# KiCad board TGX4.kicad_pcb (continued)
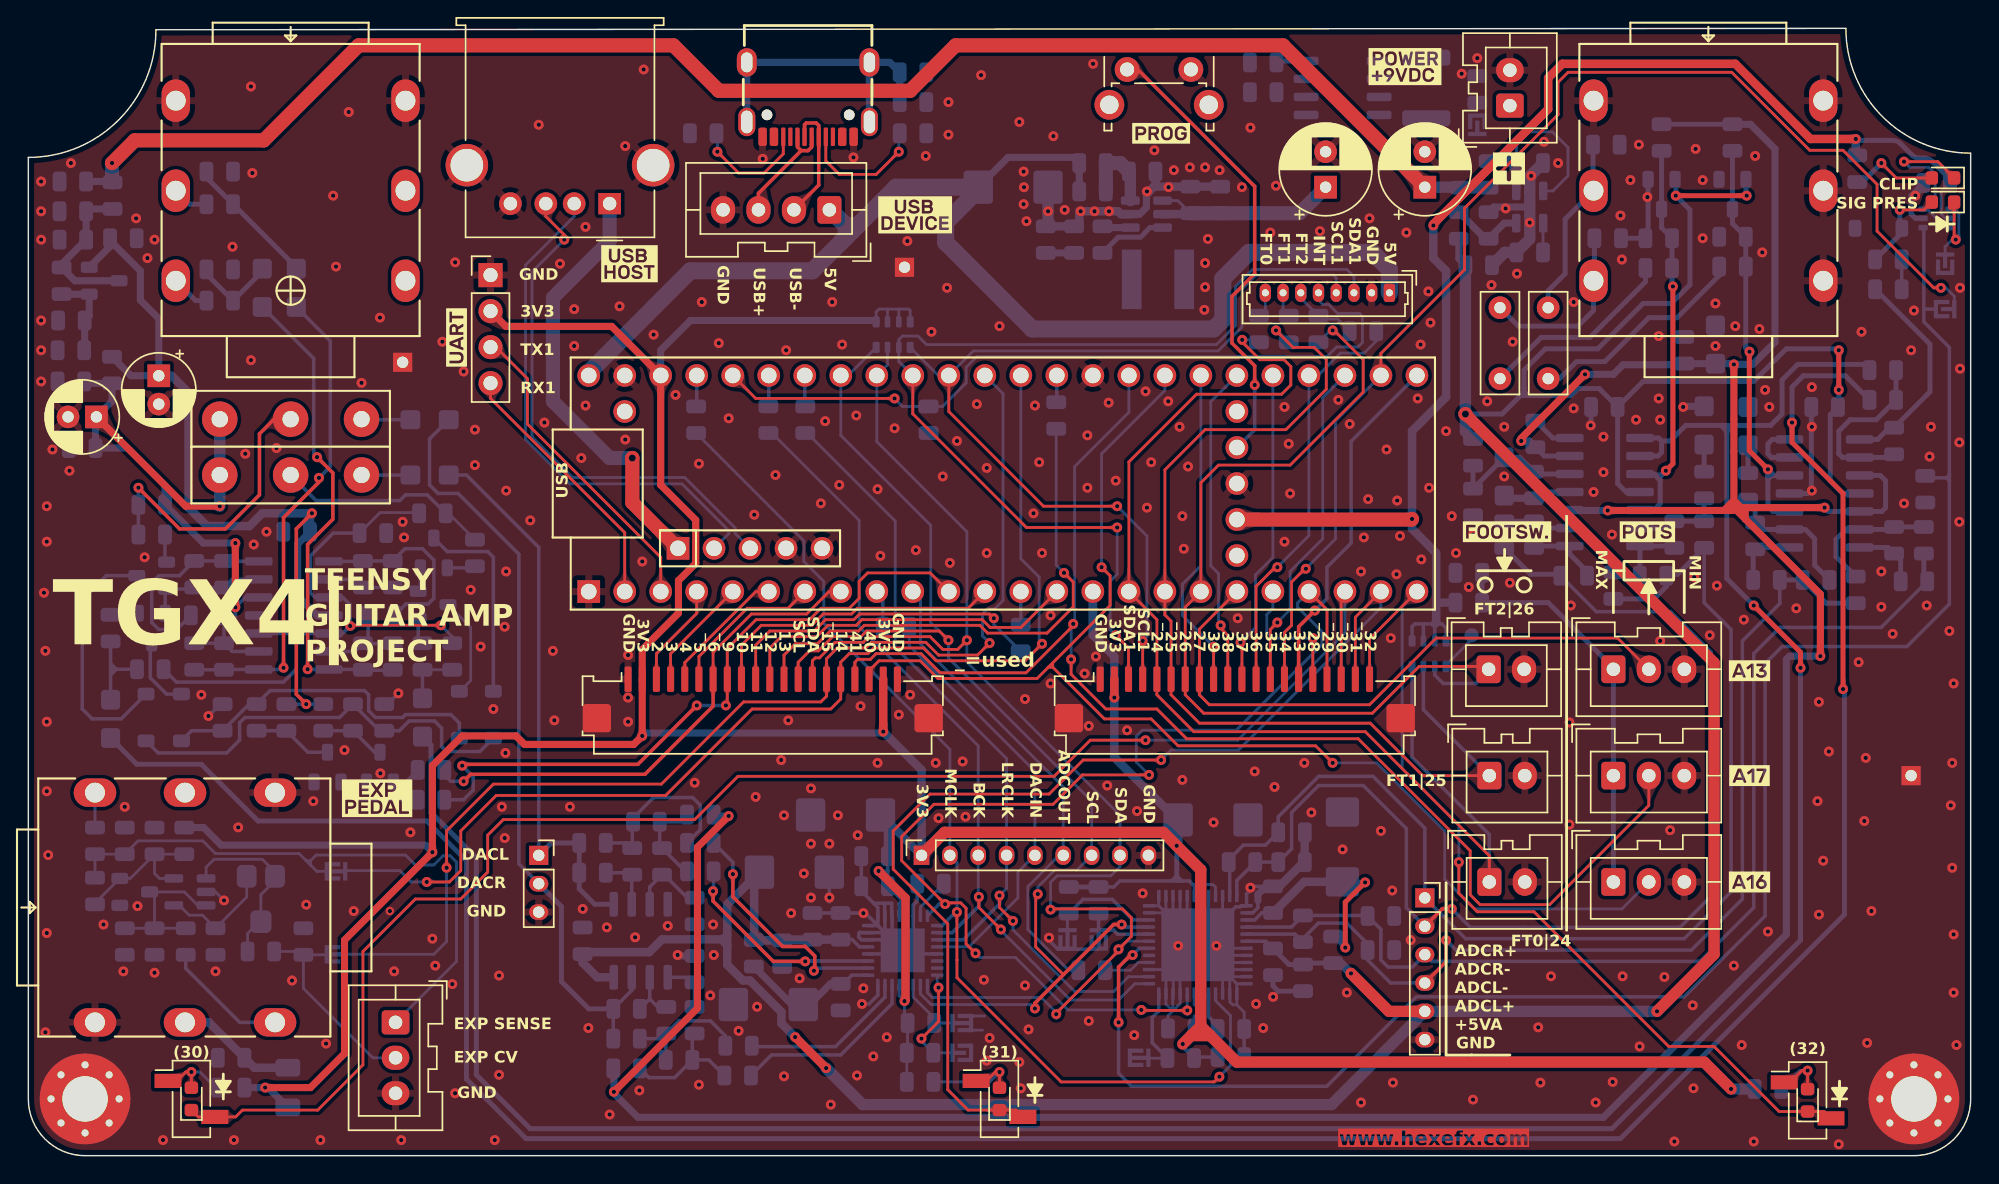
[diagram p0: board, top side]
## Routing (per net, layer and track width the routed paths; a pad name or vN(x,y) marks a point on that pad's centre or on a via; arc(x,y) is an arc through that point) (continued)
/A0_TX3_GPIO14: length 79.8
  Top w0.2: v1(28.1,19.3) 29.7,19.3 30.5,20.1 30.5,22.9 33,25.4 44.95,25.4 51.05,31.5 56.6,31.5 57.3,32.2 J10.16 57.3,34.8 57.9,35.4 59.23,35.4 59.63,35.8 63.13,35.8 64.03,34.9 70.3,34.9 v1(71.5,36.1)
  Bottom w0.2: v1(71.5,36.1) 71.3,36.3 71.3,40.8 70,42.09 U2.36 ; v1(28.1,19.3) 27,19.3 26.2,20.1 22.4,20.1
/A1_RX3_GPIO15: length 81.9
  Top w0.2: v1(29.5,20.3) 29.5,22.9 32.8,26.2 44.65,26.2 50.45,32 55.9,32 56.3,32.4 J10.15 56.3,35.04 57.06,35.8 59.06,35.8 59.46,36.2 63.3,36.2 64.2,35.3 66.95,35.3 v1(67.8,36.15)
  Bottom w0.2: v1(67.8,36.15) 67.3,36.65 67.3,38.2 67.65,38.55 68.15,38.55 68.75,39.15 68.75,53.73 U2.37 ; JP6.2 28.6,14.2 29.5,15.1 v1(29.5,20.3)
/A13_GPIO27: length 43.2
  Top w0.2: J16.2 112.1,36.5 99.3,36.5 94.6,31.8 83.3,31.8 82.6,32.5 J12.8 82.6,37.13 U2.19
/A16_GPIO40: length 91.4
  Top w0.2: 71.9,34.4 71.15,33.65 64.15,33.65 62.9,34.9 60,34.9 59.3,34.2 J10.18 ; 71.9,34.4 76.3,38.8 76.3,40.9 v1(75.7,41.5) ; 71.9,34.4 71.95,34.45 72.25,34.45 ; 72.25,34.45 75.9,30.8 79.2,30.8 81.1,28.9 90.8,28.9 v1(92,27.7) ; 72.25,34.45 72.25,34.75
  Bottom w0.2: U2.32 80.16,53.96 75.7,49.5 v1(75.7,41.5) ; J18.2 112.4,17.4 102,17.4 99.9,19.5 99.9,22.9 95.1,27.7 v1(92,27.7)
/A17_GPIO41: length 96
  Top w0.2: J10.17 58.3,34.8 58.5,35 59.39,35 59.79,35.4 62.97,35.4 64.32,34.05 70.37,34.05 73.7,37.38 v1(73.7,37.5) ; v1(73.55,35) 73.55,33.95 76,31.5 79.6,31.5 81.7,29.4 93.8,29.4 101.7,21.5 101.7,18.4 102.4,17.7 107.3,17.7 114.3,24.7 J17.2
  Bottom w0.2: U2.33 77.62,52.42 73.8,48.6 73.8,37.6 v1(73.7,37.5) 73.55,37.35 v1(73.55,35)
/ADC/ADC_CLIP: length 124.3
  Top w0.25: v1(77.9,14.15) 77.75,14.15 76.9,13.3 v1(76.9,9.4)
  Bottom w0.25: 135.3,47.8 135.5,47.6 ; 135.3,47.8 135.5,47.8 ; 135.3,47.8 133.94,47.8 R98.1 ; 135.3,47.8 135.5,48 135.5,48.1 ; 135.5,47.6 135.5,47.8 ; 135.5,47.6 135.5,38.9 132.5,35.9 123.7,35.9 122.5,34.7 122.5,16.9 116.8,11.2 97.9,11.2 91.59,4.89 77.81,4.89 76.9,5.8 v1(76.9,9.4) ; 133.7,59.7 133.7,65.4 U8.1 ; 133.7,59.7 133.7,58.8 135.5,57 135.5,48.1 ; 133.7,59.7 JP10.1 ; 135.5,47.8 135.5,48.1 ; U3.30 78.36,14.62 v1(77.9,14.15)
/ADC/I2C_ADDR0: length 4.8
  Bottom w0.25: R13.1 75.49,15.91 JP3.2 76.56,15.9 76.83,15.62 U3.32
/ADC/I2C_ADDR1: length 7.9
  Bottom w0.2: 73.29,15.86 73.29,16.97 R12.1
  Bottom w0.25: U3.34 77.91,16.62 76.46,18.07 74.39,18.07 R12.1
/ADC_EXP: length 14.7
  Bottom w0.2: J2.2 24.3,6.9 19.4,11.8 C95.1 ; C95.1 21.01,14.16 JP6.1 ; C95.1 19.16,14.4 R94.2
/ADCL_N: length 83.2
  Top w0.25: J14.2 99.72,17.4 v1(100.4,17.4)
  Bottom w0.25: U3.48 85.24,19.4 C2.2 C48.1 89.1,21.64 89.1,24.2 91,26.1 94.16,26.1 97.2,23.06 97.2,17.48 J14.2 ; v1(100.4,17.4) 101.7,16.1 116.5,16.1 118.7,18.3 118.7,35.5 115.84,38.36 110.6,38.36 R53.1
  Bottom w0.35: 108.26,41 105.96,41 R51.1
/ADCL_P: length 83.5
  Bottom w0.25: U3.47 84.74,20.63 C2.1 84.66,20.86 85.7,21.9 87.26,21.9 C46.1 88.16,23.9 91.01,26.75 94.85,26.75 98.5,23.1 J14.1 101.38,15.3 116.8,15.3 120.1,18.6 120.1,37.1 118.2,39 R45.1
  Bottom w0.35: R45.1 116.34,41 115.54,41 115.54,40.14 114.66,39.26 R47.1
/ADCR_N: length 75.4
  Bottom w0.25: U3.4 89.08,16.12 C3.1 94.42,16.94 C47.1 95.4,15.96 95.4,13.8 95.9,13.3 97.62,13.3 J14.3 ; J14.3 98.98,13.7 117.9,13.7 121.7,17.5 121.7,35.4 123.55,37.25 130.69,37.25 R54.1 ; J14.3 98.58,14.1
  Bottom w0.35: R52.1 133.7,40.74 R54.1
/ADCR_P: length 71.9
  Top w0.25: J14.4 100,13.68 v1(100,15.2)
  Bottom w0.25: J14.4 96.09,12.18 94.46,13.8 C45.1 94.46,14.94 93,16.4 91,16.4 89.9,15.3 C3.2 89.34,15.62 U3.5 ; v1(100,15.2) 100.7,14.5 117.3,14.5 120.9,18.1 120.9,36.3 123.54,38.94 R50.1
  Bottom w0.35: R48.1 126.8,38.96 R46.1 R50.1
/Audio_Input/DRY_L: length 188.1
  Top w0.35: v1(121.7,38.8) 125,35.5 v1(125,34.4)
  Bottom w0.35: 119.8,51.5 120.2,51.5 ; 119.8,51.5 119.8,51 ; 119.8,51.5 119.4,51.5 ; 120.2,51.5 122.9,51.5 123.7,52.3 123.7,54.7 124.8,55.8 129.46,55.8 R29.2 ; 120.2,51.5 119.8,51.1 ; 113.68,49.34 114.94,49.34 115.2,49.6 115.2,50.4 ; v1(121.7,38.8) 119.8,40.7 119.8,51 ; 119.8,51 119.8,51.1 ; 115.2,50.4 115.8,50.4 116.9,51.5 119.4,51.5 ; 115.2,50.4 114.99,50.61 113.68,50.61 ; C50.2 28.4,28.95 28.4,24.2 31.6,21 31.6,5.7 35.4,1.9 111.7,1.9 125,15.2 v1(125,34.4) ; 119.8,51.1 119.4,51.5
/Audio_Input/DRY_R: length 200
  Top w0.35: v1(124.4,51.7) 124.4,50.3 128,46.7 v1(128,32.9)
  Bottom w0.35: U7.13 122.96,49.24 122.7,49.5 122.7,50.2 123.01,50.51 U7.14 124.4,50.68 124.4,54.2 125.2,55 128.16,55 R30.2 ; v1(128,32.9) 128.1,32.8 128.1,17 112.3,1.2 35.1,1.2 30.9,5.4 30.9,20.8 28.1,23.6 16.2,23.6 12.2,27.6 7.65,27.6 C52.2
/Audio_Input/FXIN_L: length 12.7
  Bottom w0.35: C35.2 105.1,58.5 109.3,58.5 110.4,59.6 CON1.T 110.46,61.76 R37.2
/Audio_Input/FXIN_R: length 12.8
  Bottom w0.35: R38.2 110.36,68.09 CON1.R 108.4,66.05 108.4,62.2 107.2,61 C36.2
/Audio_Output/LOUT: length 2.7
  Bottom w0.35: R75.1 11.8,60.3 CON2.T
/Audio_Output/ROUT: length 2.6
  Bottom w0.35: R76.1 11.35,67.1 CON2.R
/BCLK2_GPIO4: length 9.2
  Top w0.2: U2.6 51.31,39.78 46.3,34.77 J10.5
/CS1_IN1_GPIO38: length 22.7
  Top w0.2: v1(84.1,37.4) 84.1,37.2 84.6,36.7 J12.10
  Bottom w0.2: U2.30 83.4,53.17 83.4,41.6 83.95,41.05 83.95,37.55 v1(84.1,37.4)
/CS_GPIO36: length 29.5
  Top w0.2: J12.12 86.6,40.15 87.95,41.5 v1(88.1,41.5)
  Bottom w0.2: v1(88.1,41.5) 90.32,43.72 U2.28 90.97,55.02 92.55,56.6 94.22,56.6 95.08,57.45 R99.2
/CS_GPIO37: length 22.4
  Top w0.2: v1(85.5,36.2) 85.6,36.1 J12.11
  Bottom w0.2: U2.29 87.78,42.18 86.55,40.95 86.55,37.25 v1(85.5,36.2)
/CTRL_DRY_GPIO9: length 47.9
  Top w0.2: U2.11 63.61,41.1 59.2,41.1 58.6,40.5 58.6,39.3 57.9,38.6 55.9,38.6 55.1,37.8 51.33,37.8 49.3,35.77 J10.8 49.3,31.85 v1(49.2,31.75)
  Top w0.25: v1(47.15,31.75) 43,27.6 30.7,27.6 v1(30.6,27.5)
  Bottom w0.25: v1(47.15,31.75) v1(49.2,31.75) ; v1(30.6,27.5) 31.38,26.72 31.38,25.77 30.7,25.1 R55.2
/CTRL_WET_GPIO6: length 36.3
  Top w0.2: J10.7 48.3,35.5 51,38.2 54.9,38.2 56.48,39.78 U2.8
  Top w0.25: v1(30.7,26.4) 31.2,26.9 43.5,26.9 48.3,31.7 J10.7
  Bottom w0.25: v1(30.7,26.4) 29.8,26.4 29.34,26.86 R56.2
/DAC/AOURL1P: length 13.4
  Bottom w0.25: U4.14 60.92,10.72 57.3,7.1 52.42,7.1 R20.1
/DAC/AOUTL1N: length 11.7
  Bottom w0.25: U4.15 60.42,11.18 56.93,7.69 51.1,7.69 R19.1
/DAC/AOUTR1N: length 16.8
  Top w0.25: v1(55.41,13.04) 55.47,13.1 55.47,14.08 54.8,14.75 53.19,14.75 49.69,18.25 v1(49.69,19.85)
  Bottom w0.25: U4.18 55.59,13.23 v1(55.41,13.04) ; R17.1 49.69,20.69 v1(49.69,19.85)
/DAC/AOUTR1P: length 14.8
  Top w0.25: v1(48.3,18.65) 48.3,17.95 52.55,13.7 v1(54.8,13.7)
  Bottom w0.25: v1(54.8,13.7) 54.82,13.73 U4.19 ; v1(48.3,18.65) 48.33,18.69 R18.1
/DAC/DAC_ADDR0: length 4.6
  Bottom w0.2: 65.2,9.35 R14.1 63.89,9.7 62.42,11.18 U4.11
/DAC/DAC_ADDR1: length 7.7
  Top w0.2: v1(63,8.25) 64.2,9.46 v1(64.2,11.85)
  Bottom w0.2: v1(64.2,11.85) 64.11,11.94 U4.8 ; v1(63,8.25) 63,8.09 R15.1 JP5.2
/DACL: length 39.5
  Bottom w0.25: J9.1 36,42.9 30.9,48 C49.2
  Bottom w0.35: J9.1 36.88,22.05 R27.2 C26.2 38.86,18.82 39.95,17.73 U5.1
/DACR: length 54.2
  Bottom w0.25: C51.2 28.3,50.55 28.3,47.3 28.9,46.7 30.31,46.7 34.6,42.41 34.6,20.58 J9.2 ; U5.7 42.56,11.65 C27.2 R28.2
  Bottom w0.35: C27.2 39.53,10.35 37.6,12.28 37.6,17.58 J9.2
/ESP_IO13: length 4.8
  Bottom w0.2: J11.6 89.75,60.49 R3.1 91.24,59 92.35,59 R99.1
/ESP_IO14: length 1.8
  Bottom w0.2: J11.7 88.5,59.64 R4.1
/ESP_IO21: length 1.8
  Bottom w0.2: J11.8 87.25,59.69 R5.1
/EXP_R: length 8.6
  Bottom w0.6: F2.1 15.94,6.2 C91.1 12.74,9.4 CON3.R
/EXP_SNS: length 44.5
  Bottom w0.2: 19.75,20.65 19.55,20.85 ; 19.75,20.65 19.95,20.45 ; 19.75,20.65 19.9,20.8 ; 19.55,20.85 19.1,21.3 13.2,21.3 12.3,22.2 7.74,22.2 C92.1 R89.2 R90.1 ; 19.55,20.85 19.6,20.8 19.9,20.8 ; JP7.1 20.35,20.05 19.95,20.45 ; 19.9,20.8 19.9,20.5 19.95,20.45 ; 19.9,20.8 20.3,21.2 26.6,21.2 27.3,20.5 28.6,20.5 29.25,21.15 29.75,21.15 30.2,20.7 30.2,13.7 J2.1
/EXPIN: length 8.8
  Bottom w0.25: CON3.T 14.9,9.4 11.1,13.2 R92.1
/FTSW0_GPIO24: length 85.2
  Top w0.2: J6.1 103.05,21.15 94.3,29.9 82.2,29.9 79.6,32.5 79.6,37.8 77.62,39.77 U2.16 77.62,48.92 82.4,53.7 88.4,53.7 89.05,54.35 89.05,55.65 88.57,56.13 86.87,56.13 85.62,57.38 v1(85.62,57.53)
  Bottom w0.2: R5.2 86.63,57.53 v1(85.62,57.53)
  Bottom w0.25: J6.1 103.05,22.65 97.6,28.1 RP1.4
/FTSW1_GPIO25: length 72
  Top w0.2: v1(88,58.2) 89.2,57 90.7,57 91.55,56.15 91.55,54.05 88.7,51.2 83,51.2 80.16,48.36 U2.17 80.16,38.13 80.6,37.7 80.6,32.5 82.6,30.5 94.65,30.5 98.35,26.8 J7.1
  Bottom w0.2: R4.2 88.06,58.2 v1(88,58.2)
  Bottom w0.25: RP1.3 98.4,31.45 J7.1
/FTSW2_GPIO26: length 64.5
  Top w0.2: v1(92,58.2) 92.1,58.2 94.15,56.15 94.15,53.85 89,48.7 83.95,48.7 82.71,47.45 U2.18 81.6,38.67 81.6,32.5 82.9,31.2 94.8,31.2 98.1,34.5 102.8,34.5
  Bottom w0.2: v1(92,58.2) 91.84,58.2 R3.2
  Bottom w0.25: RP1.2 99.2,33.9 99.8,33.3 102.1,33.3 102.8,34 102.8,34.5
/GPIO29_CODEC_PDOWN: length 80.2
  Top w0.2: U2.21 91.6,38.5 J12.17 ; v1(78.5,10.28) 78.54,10.24 v1(81.75,10.24) ; v1(66.81,14.27) 66.14,14.93 66.14,17.45 65.76,17.83 64.75,17.83 v1(64.66,17.74) 61.6,20.8 61.6,22.5 63.88,24.78 72.28,24.78 74.35,26.85 v1(79.05,26.85)
  Bottom w0.2: U2.21 89.53,38.98 89.53,38.67 91.25,36.95 91.25,36.05 85.2,30 78.58,30 78.15,29.57 78.15,27.75 v1(79.05,26.85) ; U3.20 81.75,11.43 v1(81.75,10.24) ; v1(78.5,10.28) 73.32,10.28 69.62,13.98 67.1,13.98 v1(66.81,14.27)
  Bottom w0.25: U4.32 64.24,17.74 v1(64.66,17.74)
/GUI_INT_ESP_IO12: length 53.8
  Top w0.2: U2.44 51.31,53.4 v1(61.1,53.4)
  Bottom w0.2: J11.5 91,60.33 91.3,60.03 91.72,60.03 92.35,59.4 93.9,59.4 94.1,59.2 94.1,57.35 93.78,57.02 92.28,57.02 91.6,56.35 66.9,56.35 66.15,55.6 66.15,54.5 64.49,52.84 R91.1 61.66,52.84 v1(61.1,53.4)
/I2C1_SCL_ESP_IO11: length 66.9
  Top w0.2: U2.38 64.92,52.47 71.6,45.8 v1(76.8,45.8) ; v1(78.6,36.3) J12.4
  Bottom w0.2: J11.4 92.25,61.9 92.05,62.1 86.6,62.1 85.6,61.1 85.6,58.43 83.92,56.75 66.66,56.75 U2.38 64.18,55.02 RP2.1 ; v1(76.8,45.8) 78.9,43.7 78.9,36.6 v1(78.6,36.3)
/I2C1_SDA_ESP_IO10: length 72.4
  Top w0.2: v1(76.7,36.7) 77.6,35.8 J12.3 ; U2.39 62.39,52.31 70.4,44.3 v1(76.8,44.3)
  Bottom w0.2: v1(76.8,44.3) 76.8,41 76.3,40.5 76.3,37.1 v1(76.7,36.7) ; U2.39 61.4,56 RP2.2 61.4,57.55 61.65,57.8 62.75,57.8 63.35,57.2 83.8,57.2 85.15,58.55 85.15,61.3 86.35,62.5 93,62.5 93.5,62 J11.3
/I2C_SCL: length 89.2
  Top w0.2: J10.13 54.3,34.8 55.1,35.6 55.73,35.6 56.73,36.6 58.73,36.6 59.13,37 64.25,37 v1(64.9,36.35) ; v1(71.2,18.45) 71.05,18.3 71.05,14.73 73.01,12.77
  Top w0.25: v1(77.11,16.3) 76.54,16.3 71,10.76 v1(71,10.38)
  Bottom w0.2: v1(71,10.38) 70.72,10.65 63.68,10.65 62.92,11.41 U4.10 ; RP2.4 57.82,55.02 U2.41 57.31,50.79 63.65,44.45 63.65,37.6 v1(64.9,36.35) 64.9,35.1 75,25 J5.7 73.96,20.13 72.39,20.13 71.2,18.94 v1(71.2,18.45)
  Bottom w0.25: U3.33 77.28,16.12 77.11,16.29 v1(77.11,16.3)
/I2C_SDA: length 92.9
  Top w0.2: v1(72.1,17.35) 72.15,17.4 77.18,17.4 77.8,16.78 77.8,15.46 v1(76.9,14.55) 76.9,14.44 72.5,10.05 v1(72.5,9.98) ; J10.14 55.3,34.9 55.51,35.11 55.8,35.11 56.89,36.2 58.89,36.2 59.29,36.6 63.6,36.6 64.5,35.7 65.55,35.7 v1(66.2,36.35)
  Bottom w0.2: v1(72.1,17.35) 72.1,19.28 72.56,19.73 76.36,19.73 77,20.38 J5.8 77,24 66.2,34.8 v1(66.2,36.35) 66.2,44 59.84,50.35 U2.40 60.6,55.77 RP2.3 ; U3.31 77.46,15.12 v1(76.9,14.55) ; 72.5,9.68 v1(72.5,9.98) 72.5,10.1 71.44,11.15 63.75,11.15 63.42,11.48 U4.9
/I2S2_OUT_GPIO2: length 7.4
  Top w0.2: U2.4 47.14,38.24 44.3,35.4 J10.3
/I2S2IN_GPIO5: length 11
  Top w0.2: J10.6 47.3,35.2 50.7,38.6 53.58,38.6 U2.7
/I2S2MCLK_GPIO33: length 24.9
  Top w0.25: v1(90.74,38.44) 89.6,37.3 J12.15
  Bottom w0.25: U2.25 93.3,50.37 93.3,43.2 91.6,41.5 91.6,39.3 v1(90.74,38.44)
/I2S_BCLK: length 59.3
  Top w0.2: v1(68.6,15.95) 67.04,17.51 v1(67.04,18.25)
  Bottom w0.2: U3.25 78.04,12.12 76.9,10.98 73.5,10.98 68.6,15.87 v1(68.6,15.95) ; v1(67.04,18.25) 67,18.3 J5.3 67,28.9 58.6,37.3 58.6,44.8 52.44,50.96 R8.1
  Bottom w0.25: v1(67.04,18.25) 67.04,17.6 65.17,15.73 U4.2
/I2S_DATAIN: length 34.2
  Bottom w0.2: U2.10 62.93,39.24 62.93,36.07 73,26 J5.6 72.7,21.18 70.5,18.98 70.5,15.95 73.37,13.08 R85.2
/I2S_DATAOUT: length 30.4
  Bottom w0.2: R1.1 62.14,35.96 71,27.1 71,21.2 69.8,20 69.8,18.18 66.35,14.73 U4.4
/I2S_LRCLK: length 59.5
  Top w0.2: v1(68.5,18.35) 68.5,17.5 v1(69.45,16.55)
  Bottom w0.2: v1(68.5,18.35) 69,18.85 69,28 61.15,35.85 61.15,44.75 54.94,50.96 R9.1 ; v1(69.45,16.55) 69.45,15.93 73.8,11.58 76.56,11.58 77.6,12.62 U3.26
  Bottom w0.25: v1(68.5,18.35) 68.5,17.76 65.97,15.23 U4.3
/I2S_MCLK: length 76.2
  Top w0.2: v1(65.5,17.18) 65.5,13.8 65.5,13.8 65.5,12.55 72.85,5.2 83.64,5.2 v1(84.01,5.57)
  Bottom w0.2: U3.16 83.74,10.93 84.79,9.88 84.79,6.35 v1(84.01,5.57) ; v1(65.5,17.18) 65.5,17.18 65.5,20.68 J5.2 65,28.65 56.1,37.55 56.1,40.5 54.7,41.9 54.7,43.36 R7.1
  Bottom w0.25: U4.1 64.46,16.23 65.41,17.18 v1(65.5,17.18)
/LED0_GPIO30: length 111.1
  Top w0.2: v1(78.8,29.3) 74.9,29.3 72.35,26.75 50.05,26.75 47,23.7 33.5,23.7 32.4,22.6 32.4,20 30.5,18.1 27.3,18.1 23.6,14.4 23.6,6.4 20.41,3.21 15.1,3.21 14.62,2.73 J19.2 11.98,2.73 D11.1 ; U2.22 92.6,39.52 J12.18
  Bottom w0.2: U2.22 92.87,36.86 85.3,29.3 v1(78.8,29.3)
/LED1_GPIO31: length 74.9
  Top w0.2: v1(79.9,27.9) 74.4,27.9 72,25.5 63.6,25.5 61,22.9 61,20.2 64.85,16.35 64.85,4.65 66.29,3.21 D12.1 69.67,3.21 J20.2 ; J12.19 93.6,37.97 U2.23
  Bottom w0.2: U2.23 95.41,38.65 85.36,28.6 80.6,28.6 v1(79.9,27.9)
/LED2_GPIO32: length 63.8
  Top w0.2: J21.2 126.67,3.11 D13.1 123.49,3.11 118.9,7.7 115.7,7.7 106.2,17.2 102.2,17.2 100.9,18.5 v1(100.9,20.7) ; U2.24 94.6,36.43 J12.20
  Bottom w0.2: U2.24 96.9,38.73 96.9,27.3 100.9,23.3 v1(100.9,20.7)
/LRCK2_GPIO3: length 8
  Top w0.2: U2.5 45.3,35.39 J10.4
/OUT1A_MISO1_GPIO39: length 22.9
  Top w0.2: v1(83.6,35.9) J12.9
  Bottom w0.2: U2.31 82.71,41.6 81.4,40.3 81.4,38.1 v1(83.6,35.9)
/PROG_BTN: length 32.7
  Top w0.25: SW4.1 78.25,76.6 86.5,68.35 86.5,62.2 84.9,60.6 84.9,57.3 86.5,55.7 v1(86.5,54.35)
  Bottom w0.25: v1(86.5,54.35) 86.5,51.19 U2.53
/RX1: length 18.6
  Top w0.2: U2.2 42.06,43.93 32.6,53.4 J3.4
/RX7_GPIO28: length 9.4
  Top w0.2: v1(90.6,36.5) J12.16
  Bottom w0.2: v1(90.6,36.5) 87.75,36.5 87.35,36.9 87.35,38.15 87.78,38.58 U2.20
/RX8_GPIO34_ADCCLIP: length 87.8
  Top w0.2: J12.14 88.6,36.9 89.1,37.4 89.1,40.45 90.04,41.39 v1(90.11,41.39) ; v1(134.9,61.2) 134.4,61.2 130.4,65.2 130.4,68.5 128,70.9 125.65,70.9 120.15,76.4 108.6,76.4 107.9,75.7 107.9,73.42 101.3,66.82 101.3,62.48 95.41,56.59 U2.26
  Bottom w0.2: JP10.2 135.85,60.6 135.25,61.2 v1(134.9,61.2) ; v1(90.11,41.39) 90.1,41.38 90.1,41.4 92.2,43.5 92.2,51.81 U2.26
/SPI_CS_GPIO10: length 21.1
  Top w0.2: J10.9 50.3,36 51.7,37.4 55.27,37.4 56.07,38.2 58.07,38.2 58.47,38.6 66.28,38.6 U2.12
/SPI_MISO_GPIO12: length 24.5
  Top w0.2: U2.14 70.02,37.25 67.83,37.25 67.28,37.8 58.8,37.8 58.4,37.4 56.4,37.4 55.6,36.6 53.1,36.6 52.3,35.8 J10.11
/SPI_MOSI_GPIO11: length 23.4
  Top w0.2: J10.10 51.3,36 52.3,37 55.43,37 56.23,37.8 58.23,37.8 58.63,38.2 67.8,38.2 v1(68.1,37.9)
  Bottom w0.2: R2.1 68.1,37.46 v1(68.1,37.9)
/SPI_SCK_GPIO13: length 37
  Top w0.2: J10.12 53.3,35.3 54.1,36.1 55.66,36.1 56.56,37 58.56,37 58.96,37.4 67.12,37.4 67.67,36.85 71.85,36.85 73.7,38.7 73.7,40.45 v1(73.05,41.1)
  Bottom w0.2: v1(73.05,41.1) 72.5,41.65 R6.2
/TX1: length 22.4
  Top w0.2: U2.3 44.61,42.19 35.2,51.6 35.2,54.8 32.98,57.02 J3.3
/TX8_GPIO35: length 23.6
  Top w0.2: J12.13 87.6,37.1 v1(88.1,37.6)
  Bottom w0.2: v1(88.1,37.6) 89,38.5 89,41.2 91.3,43.5 91.3,53.45 U2.27
/USB_H_D_N: length 36.7
  Bottom w0.2: J1.2 38.5,66.24 35.08,62.81 35.08,50.51 38.21,47.38 46.11,47.38 49.41,44.07 49.41,43.88 U2.56
/USB_H_D_P: length 36.8
  Top w0.2: v1(37.8,64.6) 37.8,64.94 36.5,66.24 J1.3
  Bottom w0.2: v1(37.8,64.6) 35.53,62.32 35.53,50.69 38.39,47.82 46.29,47.82 49.86,44.26 49.86,43.88 U2.57
/USB_H_PWR: length 30.6
  Top w1: v3(42.6,49.2) 42.6,46.05 U2.55
  Bottom w1: v3(42.6,49.2) 41,49.2 37,53.2 37,60.5 41,64.5 J1.1
/USB_N: length 8.7
  Top w0.25: J4.2 55.75,68.45 J13.B7 55.75,72.65 55.57,72.83 54.87,72.83 54.75,72.71 J13.A7
/USB_P: length 8.1
  Top w0.25: J13.A6 55.25,71.13 54.99,70.88 54.51,70.88 ; 54.51,70.88 51.5,67.87 J4.3 ; 54.51,70.88 54.25,71.13 J13.B6
/VEXP: length 10.7
  Bottom w0.2: C96.1 7.19,19.55 D1.2 4.7,17.8 R90.2 ; C96.1 8.9,19.9 9.25,19.55 U1.5 ; C96.1 L6.1
/VPOT: length 28.4
  Bottom w0.35: C90.1 L5.1 107.2,39 111.8,34.4 J16.1 J17.1 J18.1
VBB: length 91.1
  Top w0.2: v1(29.1,37.4) 22.75,37.4 v1(22.7,37.36)
  Top w0.5: v1(13.5,45.8) 11.1,45.8 C86.1 ; v1(14.6,43.2) v1(14.6,38.67)
  Bottom w0.2: C57.1 24.81,45.35 27.51,45.35 R65.2 ; R67.2 29.9,36.6 v1(29.1,37.4)
  Bottom w0.25: 18.9,36.83 U9.5 22.17,36.83 v1(22.7,37.36) 22.7,38.84 22.17,39.37 U9.3 20.23,39.37 19.9,39.7 19.9,42.3 21.5,43.9 C57.1 ; 18.9,36.83 U9.10 15.28,36.83 14.6,37.51 v1(14.6,38.67) 15.3,39.37 U9.12 ; 18.9,36.83 18.9,34.3 18,33.4 10.44,33.4 R68.2
  Bottom w0.5: R84.2 4.08,54.46 R83.1 5.9,53.2 C86.1 4.74,52.04 C87.1 7,49.9 9.7,47.2 9.64,47.14 R66.2 12.34,43.2 v1(14.6,43.2)
  Bottom w0.8: RV1.6 RV1.3 v1(13.5,45.8)
VCOM: length 235.9
  Top w0.5: 119.5,45.5 v1(111.4,45.5) ; 119.5,45.5 120.2,45.5 120.3,45.6 ; 119.5,45.5 119.6,45.5 120.3,46.2 ; 120.3,46.2 v1(120.3,55.8) ; 120.3,46.2 120.3,45.7 ; 120.3,46.2 120.8,45.7 121.1,45.7 ; v1(49.39,23.95) 47.19,21.75 47.19,10.39 v1(41.3,4.5) ; 120.3,45.7 121.1,45.7 ; 120.3,45.7 121.1,44.9 ; 121.1,45.7 121.1,44.9 ; 121.1,45.7 v1(126.7,45.7) ; 121.1,44.9 126.4,39.6 v1(126.4,35.22) ; v1(105.3,50.4) 105.3,50.6 v1(109.8,55.1)
  Bottom w0.35: R41.2 R42.2 ; U6.13 106.92,49.34 R36.1 ; v1(126.7,45.7) 126.97,45.43 130.73,45.43 131,45.7 131,47.6 130.63,47.97 129.18,47.97
  Bottom w0.5: v1(105.3,50.4) 105.86,50.4 R36.1 ; v1(109.8,55.1) 111.8,55.1 112.47,55.77 116.71,55.77 C89.1 116.81,55.85 C34.1 120.25,55.85 v1(120.3,55.8) 121.63,55.8 123.2,57.37 123.2,71 121.46,72.74 R42.2 ; v1(111.4,45.5) 108.75,45.5 U6.10 ; v1(49.39,23.95) 48.43,23.95 R21.1 ; v1(126.4,35.22) 124.22,35.22 124,35 124,15.6 111.1,2.7 43,2.7 41.3,4.4 v1(41.3,4.5) 41.3,6.11 R22.1
Net-(C22-Pad1): length 12.8
  Bottom w0.25: R17.2 47.39,22.99 47.39,24.72 46.86,25.25 44.09,25.25 42.66,23.81 C22.1 42.59,23.49 R23.1 42.23,22.05 R27.1
Net-(C22-Pad2): length 6.8
  Bottom w0.25: 46.22,19.81 R18.2 46.33,20.05 R24.1 44.53,21.85 C22.2 45.96,23.55 R21.2
Net-(C23-Pad1): length 9.6
  Bottom w0.25: R19.2 49.16,8.45 48.11,9.5 45.88,9.5 R25.1 ; R25.1 44.96,8.58 C23.1 ; R25.1 44.63,8.25 R28.1
Net-(C23-Pad2): length 9.1
  Bottom w0.25: C23.2 48,6.75 R20.2 ; C23.2 45.58,5.5 43.78,5.5 R22.2 ; C23.2 46.83,8.45 R26.1
Net-(C31-Pad1): length 2.1
  Bottom w0.25: C31.1 R32.2
Net-(C31-Pad2): length 15.2
  Bottom w0.35: C31.2 134.13,57.23 134.13,53.87 R31.1 131.27,51.34 130.44,50.51 129.18,50.51
Net-(C35-Pad1): length 14.1
  Bottom w0.35: C35.1 106.7,57.7 110.14,57.7 114.06,61.62 R39.2
Net-(C36-Pad1): length 15.7
  Bottom w0.35: R40.2 119.26,62.06 116.3,59.1 114.3,59.1 111.2,56 109.2,56 108,54.8 C36.1
Net-(C39-Pad1): length 1.9
  Bottom w0.35: C39.1 R43.2
Net-(C40-Pad1): length 1.9
  Bottom w0.35: 121.3,50.05 R44.2
Net-(C41-Pad1): length 4.5
  Bottom w0.35: C41.1 115.97,42.99 113.68,42.99 113.68,41.01 113.66,41
Net-(C42-Pad1): length 4.7
  Bottom w0.35: U7.8 121.93,42.89 C42.1 121.66,42.62 R50.2
Net-(C43-Pad1): length 5.2
  Bottom w0.35: 110.14,41 108.72,42.41 U6.8 106.33,42.99 C43.1
Net-(C44-Pad1): length 4.8
  Bottom w0.35: R54.2 132.06,42 C44.1 131.17,42.89 129.18,42.89
Net-(C49-Pad1): length 3.5
  Bottom w0.25: C49.1 RV1.1
Net-(C50-Pad1): length 4.1
  Bottom w0.2: R67.1 R61.1
  Bottom w0.25: C50.1 R61.1
Net-(C51-Pad1): length 3.5
  Bottom w0.25: RV1.4 23.54,51.9 C51.1
Net-(C52-Pad1): length 7.1
  Bottom w0.25: C52.1 5.8,33.9 ; 5.8,33.9 6.2,34.3 6.2,34.3 ; 5.8,33.9 5.8,34.4 ; 6.2,34.3 6.2,34.3 ; 6.2,34.3 5.8,34.7 ; R68.1 6.2,34.3 ; 6.2,34.3 5.9,34.3 5.8,34.4 ; 5.8,34.7 R62.1 ; 5.8,34.7 5.8,34.4
Net-(C55-Pad2): length 14.1
  Bottom w0.25: R71.2 26.64,38.9 28.2,38.9 28.6,39.3 28.6,42 27.8,42.8 26.56,42.8 R69.1 C55.2 23.57,41.91 U9.1
Net-(C56-Pad2): length 14.4
  Bottom w0.25: U9.14 13.83,41.91 C56.2 R70.1 10.66,40.9 9.2,40.9 8.7,40.4 8.7,37.6 9.2,37.1 10.46,37.1 R72.2
Net-(C59-Pad2): length 34.4
  Top w0.25: v1(20.36,49.26) 21.47,48.15 21.47,44.88 19.7,43.1 v1(19.7,34.3)
  Bottom w0.25: 25.7,34.23 23.6,34.23 23.54,34.29 U9.7 19.71,34.29 v1(19.7,34.3) ; C61.1 20.12,56.22 20.12,49.5 v1(20.36,49.26)
Net-(C60-Pad2): length 33.9
  Top w0.25: v1(18,34.4) 18,45 20.5,47.5
  Bottom w0.25: v1(20.5,47.8) 21.3,48.6 21.3,57.45 C62.1 ; R74.1 C60.2 13.82,34.29 U9.8 17.89,34.29 v1(18,34.4)
Net-(C61-Pad2): length 6.1
  Bottom w0.35: C61.2 16.5,62.36 R75.2 12.56,62.18 R77.2
Net-(C62-Pad2): length 9.5
  Bottom w0.35: C62.2 18.9,62.64 R76.2 12.56,68.98 R78.2
Net-(CON3-PadSsw): length 2.5
  Bottom w0.2: CON3.Ssw R89.1
Net-(D1-COM): length 11.4
  Bottom w0.2: C94.1 8.9,18.25 D1.3 11,18.6 11.95,17.65 U1.3 ; C94.1 R92.2 ; C94.1 R100.2
Net-(D2-A): length 6.9
  Top w0.2: D2.2 133.71,66.7 v1(132,66.7)
  Bottom w0.35: R32.1 132.2,65.14 132.2,65.3 132,65.5 v1(132,66.7)
Net-(D2-K): length 7.3
  Top w0.2: D2.1 135.84,64.71 v1(135.95,64.6)
  Top w0.35: 135.9,67.2 135.58,66.88
  Bottom w0.2: JP9.2 135.2,64.1 135.7,64.6 v1(135.95,64.6) 136.18,64.82 136.18,66.45 135.87,66.75 U8.4
Net-(D4-A): length 6.3
  Top w0.2: v1(130.7,70) 131.75,68.95 D4.2
  Bottom w0.35: v1(130.7,70) 129.36,68.66 R35.2
Net-(D4-K): length 11.8
  Top w0.2: D4.1 134.69,70.1 v1(132.3,70.1)
  Bottom w0.2: U8.6 135.23,65.45 133.93,66.75 U8.3 134.5,67.6 134.5,69.24 134.04,69.7 132.7,69.7 v1(132.3,70.1)
Net-(D5-COM): length 29.8
  Top w0.35: v1(115.5,48.3) 116,48.8 v1(116,61.3)
  Bottom w0.35: 115.1,47.62 115.1,47.9 v1(115.5,48.3) 115.21,48.01 114.71,48.01 114.65,48.07 ; 115.1,47.62 115.1,45.98 114.65,45.53 113.68,45.53 ; 115.1,47.62 114.65,48.07 ; 113.68,48.07 114.65,48.07 ; R41.1 D5.3 115.2,65.44 C37.1 R39.1 115.94,61.36 v1(116,61.3)
Net-(D6-COM): length 30.5
  Top w0.35: v1(122.7,48.4) 121.39,49.71 121.39,56.69 v1(121.4,56.7)
  Bottom w0.35: R42.1 D6.3 120.2,65.74 C38.1 R40.1 121.14,56.96 v1(121.4,56.7) ; 122.7,47.7 122.7,47.9 ; 122.7,47.7 122.97,47.97 123.13,47.97 ; 122.7,47.7 122.7,45.8 123.07,45.43 U7.10 ; 122.7,47.9 122.77,47.97 123.13,47.97 ; 122.7,47.9 v1(122.7,48.4) 123.13,47.97 ; 123.13,47.97 U7.12
Net-(D7-A): length 7.1
  Bottom w0.2: Q3.3 31.2,37.25 31.2,33.5 30.4,32.7
Net-(D7-K): length 23.9
  Bottom w0.25: D8.1 11.51,29.97 C53.2 15.58,31.84 R58.1 17.06,32.8 23.7,32.8 24,32.5 24,31.38 24.48,30.9 26.4,30.9 26.6,31.1 29.8,31.1 30.4,30.5 D7.1
Net-(D8-A): length 5.2
  Bottom w0.25: D8.2 9.75,32.55 8.6,33.7 8.6,36.05 Q4.3
Net-(D9-A): length 14.2
  Bottom w0.25: Q5.3 29.55,42.6 32.4,42.6 32.8,42.2 D9.2
Net-(D10-A): length 17.8
  Bottom w0.25: D10.2 6.55,30.8 4.5,30.8 3.8,31.5 3.8,39.2 5.5,40.9 Q6.3
Net-(D10-K): length 30.1
  Bottom w0.25: D9.1 31.85,28.5 29.5,28.5 29.15,28.85 29.15,30.15 28.65,30.65 26.85,30.65 26.16,29.97 C54.1 24.78,29.97 R60.1 21.96,30.9 15.27,30.9 14.9,30.53 14.9,29.3 14,28.4 9.15,28.4 D10.1
Net-(D11-A): length 5.4
  Top w0.2: D11.2 v1(11.5,5.9) 11.1,5.9 10.47,5.27 J19.1
  Bottom w0.2: R95.1 13.36,4.76 13.3,4.7 12.1,5.9 v1(11.5,5.9)
Net-(D12-A): length 8
  Top w0.2: J20.1 67.57,5.27 68.2,5.9 v1(68.5,5.9) D12.2
  Bottom w0.2: v1(68.5,5.9) 67.8,5.2 R96.1
Net-(D13-A): length 5.7
  Top w0.2: J21.1 124.27,5.17 125.1,6 v1(125.5,6) D13.2
  Bottom w0.2: v1(125.5,6) 124.94,6 R97.1
Net-(J13-CC1): length 9.2
  Top w0.2: J13.A5 56.25,70.15 57.2,69.2 59.8,69.2 v1(61.4,70.8)
  Bottom w0.2: R86.1 61.4,72.04 v1(61.4,70.8)
Net-(J13-CC2): length 8.4
  Top w0.2: v1(48.6,70.8) 50.1,69.3 51.9,69.3 53.25,70.65 J13.B5
  Bottom w0.2: R87.1 48.6,72.04 v1(48.6,70.8)
Net-(J13-SHIELD): length 21.6
  Bottom w0.5: J13.SH J13.SH J13.SH ; J13.SH 60.76,77.1 R88.2 C1.1 ; J13.SH J13.SH
Net-(JP1-B): length 6.6
  Bottom w0.2: 78.99,6.87 80.34,6.87 R10.1
  Bottom w0.25: U3.24 79.73,11.43 79.73,10.2 79.27,9.75 79.27,7.96 R10.1
Net-(Q1-B): length 5.9
  Bottom w0.2: R55.1 23.3,25.1 Q1.1
Net-(Q1-C): length 5.6
  Bottom w0.25: R58.2 R57.2 19.72,28.45 Q1.3
Net-(Q2-B): length 2.1
  Bottom w0.2: Q2.1 26.61,26.35 R56.1
Net-(Q2-C): length 4.6
  Bottom w0.25: Q2.3 24.42,28.45 R60.2 R59.2
Net-(Q3-D): length 1.9
  Bottom w0.25: Q3.1 27.5,36.44 R61.2
Net-(Q3-S): length 8.3
  Bottom w0.25: Q5.2 27.65,39.95 27.55,39.85 27.34,40.07 R69.2 C55.1 23.03,40.64 U9.2
Net-(Q4-D): length 2
  Bottom w0.25: Q4.1 7.64,38.14 R62.2
Net-(Q4-S): length 8.5
  Bottom w0.25: Q4.2 9.65,39.85 Q6.2 11.59,39.95 R70.2 C56.1 14.37,40.64 U9.13
Net-(Q5-D): length 2
  Bottom w0.25: Q5.1 31.39,41.45 R63.2
Net-(Q6-D): length 2
  Bottom w0.25: Q6.1 9.64,41.97 R64.2
Net-(Q7-G): length 2.1
  Bottom w0.35: R79.2 88.14,77.2 90.12,77.2
Net-(Q8-B): length 6
  Bottom w0.5: 2.36,60.75 Q8.1 4.29,59.22 C79.1 3.98,56.84 C80.1
Net-(Q8-C): length 11
  Bottom w0.5: Q8.3 3.28,61.7 R82.2 2.34,62.87 C78.1 C76.1 4.24,66.76 L2.2
Net-(R36-Pad2): length 2.9
  Bottom w0.35: R36.2 107.53,50.61 U6.14
Net-(R63-Pad1): length 15.2
  Bottom w0.2: R65.1 29.64,45.3 R63.1
  Bottom w0.25: R65.1 28.14,46.6 26.6,46.6 26.2,46.2 20.3,46.2 RV1.2
Net-(R64-Pad1): length 21
  Top w0.25: v1(7.76,47.1) 10.67,44.2 13.9,44.2 16.3,46.6 16.3,50.9 17.34,51.94 RV1.5
  Bottom w0.25: R64.1 R66.1 v1(7.76,47.1)
Net-(R94-Pad1): length 12.7
  Bottom w0.2: U1.1 12.54,20.34 13.1,20.9 16.5,20.9 17.4,20 RV2.3 17.4,19.4 16.4,18.4 RV2.2 16.3,16.5 15.46,15.66 R94.1
Net-(RP1-P1): length 2.9
  Bottom w0.2: TP1.1 101.8,36.4 100,34.6 RP1.1
Net-(U1--): length 8.2
  Bottom w0.2: U1.4 10.65,17.65 11.34,16.96 12.28,16.96 R93.2 15.4,18.24 RV2.1
Net-(U2-7_RX2_OUT1A): length 2.7
  Bottom w0.25: R1.2 60.26,39.18 59.84,39.6 U2.9
Net-(U2-11_MOSI_CTX1): length 2.3
  Bottom w0.25: U2.13 70,37.44 R2.2
Net-(U2-13_SCK_LED): length 1.9
  Bottom w0.25: U2.35 72.55,53.18 R6.1
Net-(U2-20_A6_TX5_LRCLK1): length 2.2
  Bottom w0.25: U2.42 54.77,52.87 R9.2
Net-(U2-21_A7_RX5_BCLK1): length 2.2
  Bottom w0.25: R8.2 52.22,52.86 U2.43
Net-(U2-23_A9_CRX1_MCLK1): length 2.2
  Bottom w0.25: U2.45 47.14,52.88 R7.2
Net-(U3-SDTO1): length 3.3
  Bottom w0.2: R85.1 77.74,13.08 78.28,13.62 U3.28
Net-(U3-VDD18): length 2.9
  Bottom w0.2: 82.29,8.65 82.29,8.93 82.24,8.99 82.24,9.81 82.4,9.97 82.4,10.51 82.24,10.67 U3.19
Net-(U3-VREFH1): length 15.8
  Top w0.35: v1(92.89,14.67) 92.89,17.87 v1(94.29,19.27)
  Bottom w0.25: C5.1 86.99,17.12 86.5,16.62 U3.3
  Bottom w0.35: C4.1 92.72,19.27 v1(94.29,19.27) ; v1(92.89,14.67) 92.1,15.46 R11.1
  Bottom w0.6: C4.1 89.98,19.31 C5.1
Net-(U4-VDD18): length 2.9
  Bottom w0.2: C15.1 62.92,17.52 U4.31
Net-(U4-VREFH1): length 10
  Bottom w0.25: U4.17 58.08,12.73 57.47,12.11
  Bottom w0.5: R16.1 53.83,10.68 55.13,10.68 56.57,12.11 57.47,12.11
Net-(U5A-+): length 5.4
  Bottom w0.25: U5.3 43.83,18.95 R24.2 44.84,19.81 46.47,18.19 C24.2
Net-(U5A--): length 4
  Bottom w0.25: U5.2 42.56,19.78 R23.2 42.46,19.95 C26.1
Net-(U5B-+): length 3.8
  Bottom w0.25: U5.5 46.63,12.58 C25.2 R26.2
Net-(U5B--): length 3.9
  Bottom w0.25: 43.83,11.05 44.39,10.49 R25.2 ; 43.83,11.05 U5.6 ; 43.83,11.05 C27.1
Net-(U6B--): length 6.3
  Bottom w0.35: R43.1 R45.2 C41.2 115.62,44.26 113.68,44.26
Net-(U6C--): length 9.8
  Bottom w0.35: R47.2 111.8,42.16 109.7,44.26 U6.9 106.68,44.26 C43.2 R51.2
Net-(U6D-+): length 9.9
  Bottom w0.35: U6.12 106.37,48.07 C88.1 105.19,49.25 C32.1 104.1,49.24 R34.1 R33.2
Net-(U7A--): length 12.7
  Bottom w0.35: R31.2 131.38,49.24 127.96,49.24 127.7,49.5 127.7,51.1 128.5,51.9 130.34,51.9 R30.1 R29.1
Net-(U7B--): length 9.8
  Bottom w0.35: R48.2 127.5,42.24 127.5,43.46 128.2,44.16 131.42,44.16 C44.2 R52.2
Net-(U7C--): length 9.8
  Bottom w0.35: R46.2 126,41.64 126,43.5 125.34,44.16 U7.9 122.28,44.16 C42.2 121.8,45.76 R44.1
Net-(U9B--): length 6.9
  Bottom w0.25: R71.1 23.96,36.47 23.6,36.11 ; 25.7,36.11 23.6,36.11 ; 23.6,36.11 23.05,35.56 U9.6
Net-(U9C--): length 6.9
  Bottom w0.25: R74.2 C60.1 ; C60.1 14.38,35.56 U9.9 ; C60.1 13.8,37.64 R72.1
Net-(U10-BS): length 2
  Bottom w0.5: C66.1 75.85,65.45 77.72,65.45
Net-(U10-FB): length 6
  Bottom w0.8: R81.2 77.72,69.3 77.72,67.35
  Bottom w1: R81.2 77.03,70 C69.2 R80.1
Net-(U11-BP): length 2.2
  Bottom w0.2: 106.85,65.59 U11.4 106.85,65.7 106.84,65.69 C81.1
Net-(U11-EN): length 14
  Bottom w0.2: U11.3 107.54,68.04 108.6,69.1 108.6,71.1 107.5,72.2 105.8,72.2 104.96,71.36 C77.1
  Bottom w0.6: U11.1 104.95,69.99 C77.1
  Bottom w0.8: L3.2 104.82,70.14 C77.1
Net-(U11-OUT): length 5.3
  Bottom w0.5: L4.1 102.78,64.66 C83.1 104.1,65.76 U11.5

## Copper pours and planes (outline as drawn; the poured copper is in the pictures)
+5V on Bottom: 78.66,64.3 71.16,64.3 68.86,66.6 68.86,69.3 68.16,70 65.96,70 65.26,69.3 65.26,66.1 71.86,59.5 78.76,59.5 78.76,64.2
+9V on Bottom: 88.6,75.8 89.2,76.4 93.5,76.4 93.8,76.1 93.8,72.8 94.5,72.1 96.4,72.1 96.8,71.7 96.8,69.8 97.2,69.4 99.6,69.4 99.7,69.3 99.7,67.2 90.4,67.2 90.3,67.3 90.3,70 87.5,72.8 87.5,75.8
/Power/5VSW on Bottom: 79.46,65.7 79.46,60.1 79.96,59.6 82.36,59.6 82.36,64.4 81.06,65.7
/Power/VCC_F on Bottom: 94.4,77.5 96.4,77.5 96.4,74.7 99.8,74.7 101.2,73.3 101.2,72.2 102.9,72.2 102.9,71.4 100.4,71.4 99.3,72.6 94.4,72.6
GND on Top, Bottom, In1.Cu, In2.Cu: 138.5,80.1 -1.5,80.1 -1.5,-0.9 138.5,-0.9
VCC on Bottom: 100.5,76.1 101.7,74.9 105.5,74.9 105.5,73 101.9,73 99.8,75.1 96.9,75.1 96.9,78 100.5,78

Small or netless copper shapes (teardrops, artwork), in the pictures only: 237 on Top, 902 on Bottom

## Text on the board
B.Silkscreen: 00|0x10 / 01|0x11 / 10|0x12 / 11|0x13 | + | 13 | 36 | 3V3 | MCLK | BCK | LRCLK | DACIN | ADCOUT | SCL | SDA | GND | EXP=A1|15 | EXPSNS=A0|14 | DACL | DACR | ADC / AD0|AD1 | SLAVE | MASTER | ADC + DAC | 10k PULL-UP | GPIO34 | ADC | CLIP SELECT | DAC | 0 | 1 | EXP IN GAIN | AD0 | AD1 | ADCL+ | +5VA | ADCL- | ADCR- | ADCR+ | SCL1 | SDA1 | TEENSY / GUITAR AMP / PROJECT | REV.2 07.2024 | www.hexefx.com | TGX4|
User.Drawings: DISPLAY | OUTPUT | INPUT
Top: www.hexefx.com
F.Fab: Pins 15+51 (3V3) / are internally connected / inside Teensy
F.Silkscreen: + | 5V | EXP SENSE | EXP CV | GND | 3V3 | TX1 | RX1 | ADCR+ | ADCR- | ADCL- | ADCL+ | +5VA | (30) | (31) | FT1|25 | FT2|26 | FT0|24 | (32) | DACR | DACL | CLIP / SIG PRES | USB | USB+ | USB- | 2 | 3 | 4 | 5 | _6 | _9 | 10 | 11 | 12 | 13 | SCL | SDA | _15 | _14 | 41 | 40 | MCLK | BCK | LRCLK | DACIN | ADCOUT | SDA1 | SCL1 | _24 | _25 | _26 | _27 | 39 | 38 | 37 | 36 | FT0 | 35 | FT1 | 34 | 33 | FT2 | 28 | INT | _29 | _30 | _31 | _32 | MAX | MIN | _=used | TEENSY / GUITAR AMP / PROJECT | TGX4|
